# KiCad board WS2812B LED Ring7.kicad_pcb (continued)
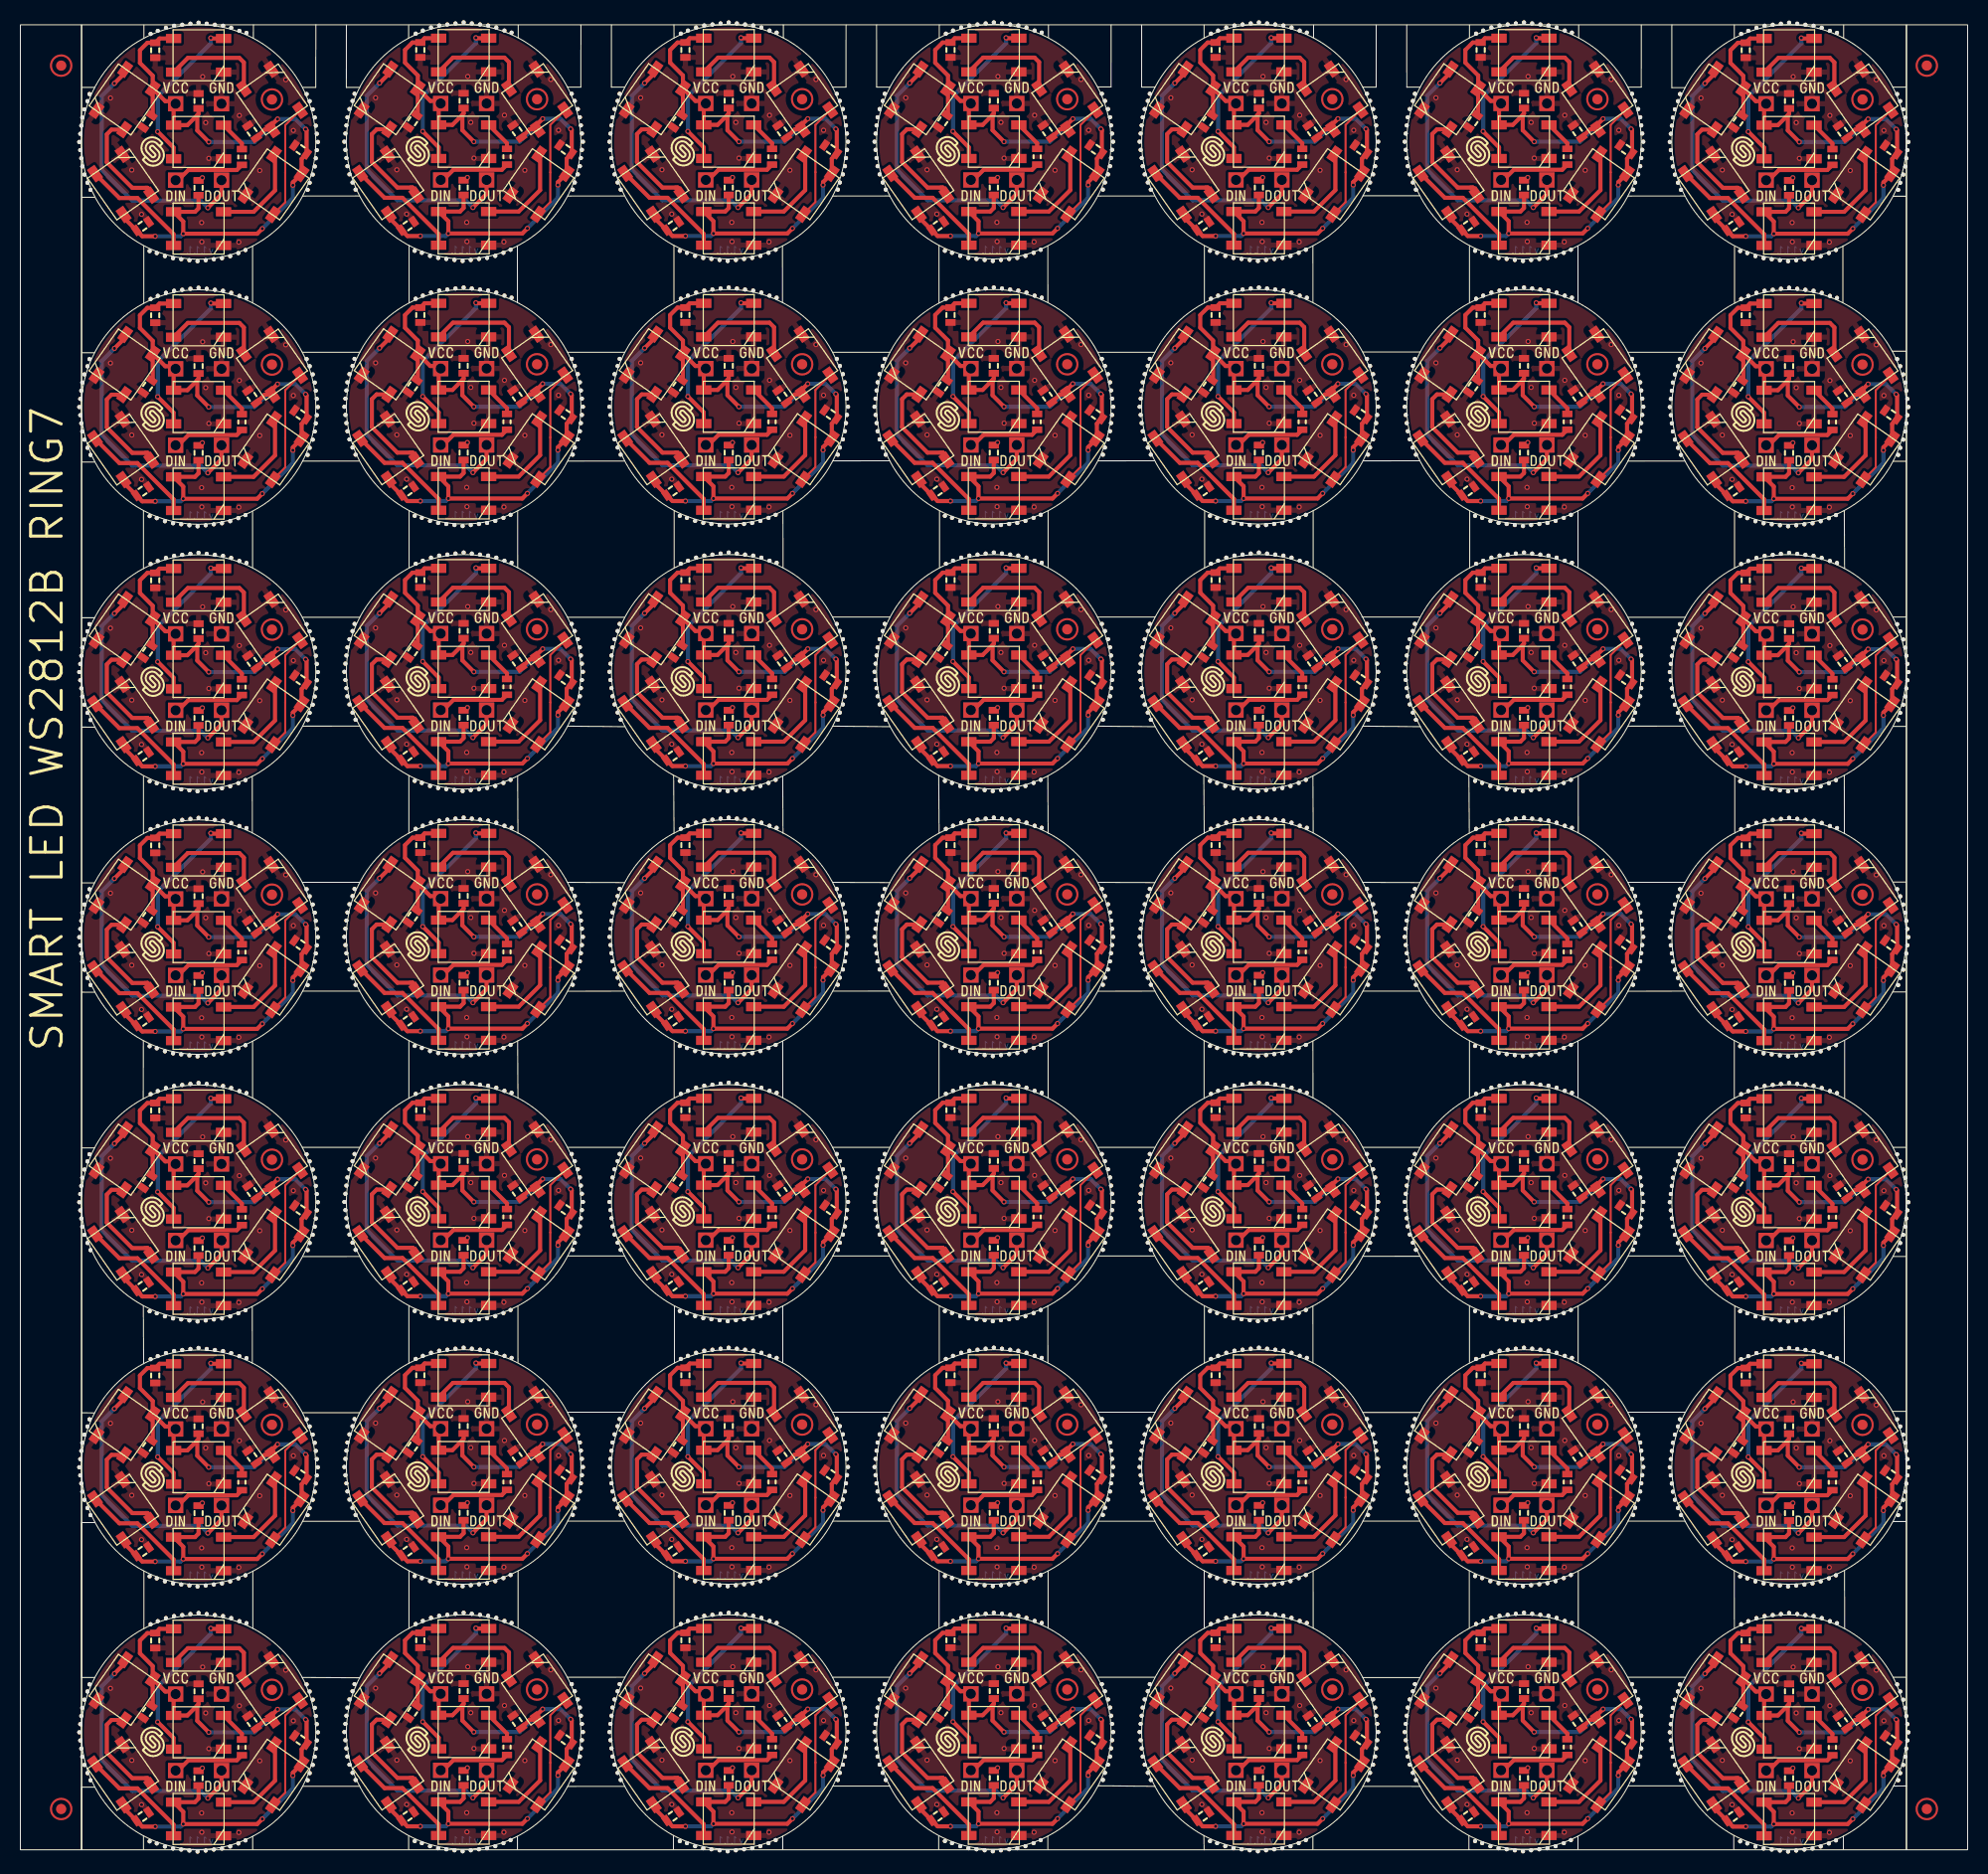
[diagram p0: board, top side]
## Placement (name value [footprint] x y rotation side) (continued)
REF**#164  -  [HOLE_0.5mm]  93.07 152.96 90 top
REF**#165  -  [HOLE_0.5mm]  107.07 64.36 0 top
REF**#166  -  [HOLE_0.5mm]  151.38 156.66 270 top
REF**#167  -  [HOLE_0.5mm]  28.97 61.94 0 top
REF**#168  Logo-Front-SolderedFULL-15mm  [Logo-Back-SolderedFULL-15mm]  17.91 37.79 0 top
REF**#169  -  [HOLE_0.5mm]  161.88 116.33 180 top
REF**#170  -  [HOLE_0.5mm]  158.18 6.86 0 top
REF**#171  -  [HOLE_0.5mm]  84.88 6.86 180 top
REF**#172  -  [HOLE_0.5mm]  42.67 101.16 90 top
REF**#173  -  [HOLE_0.5mm]  142.68 78.86 270 top
REF**#174  -  [HOLE_0.5mm]  29.08 64.33 0 top
REF**#175  -  [HOLE_0.5mm]  132.68 118.76 0 top
REF**#176  -  [HOLE_0.5mm]  146.57 25.96 270 top
REF**#177  -  [HOLE_0.5mm]  14.28 152.73 90 top
REF**#178  -  [HOLE_0.5mm]  67.88 179.06 90 top
REF**#179  -  [HOLE_0.5mm]  54.67 112.36 0 top
REF**#180  -  [HOLE_0.5mm]  13.47 100.44 90 top
REF**#181  -  [HOLE_0.5mm]  72.68 126.76 90 top
REF**#182  -  [HOLE_0.5mm]  67.78 0.06 270 top
REF**#183  -  [HOLE_0.5mm]  14.28 74.73 90 top
REF**#184  -  [HOLE_0.5mm]  184.18 84.83 0 top
REF**#185  -  [HOLE_0.5mm]  32.78 16.26 180 top
REF**#186  -  [HOLE_0.5mm]  22.17 74.23 90 top
REF**#187  -  [HOLE_0.5mm]  168.68 104.83 270 top
REF**#188  -  [HOLE_0.5mm]  177.47 22.44 90 top
REF**#189  -  [HOLE_0.5mm]  133.18 63.56 0 top
REF**#190  -  [HOLE_0.5mm]  161.97 9.94 180 top
REF**#191  -  [HOLE_0.5mm]  110.78 94.26 180 top
REF**#192  -  [HOLE_0.5mm]  12.67 104.83 270 top
REF**#193  -  [HOLE_0.5mm]  54.88 91.96 0 top
REF**#194  -  [HOLE_0.5mm]  106.88 39.96 0 top
REF**#195  -  [HOLE_0.5mm]  46.67 74.76 90 top
REF**#196  -  [HOLE_0.5mm]  80.68 86.36 0 top
REF**#197  -  [HOLE_0.5mm]  145.07 22.96 90 top
REF**#198  -  [HOLE_0.5mm]  14.17 130.33 270 top
REF**#199  -  [HOLE_0.5mm]  136.28 14.76 180 top
REF**#200  -  [HOLE_0.5mm]  106.68 86.36 0 top
REF**#201  -  [HOLE_0.5mm]  133.07 168.36 0 top
REF**#202  -  [HOLE_0.5mm]  57.88 36.76 180 top
REF**#203  -  [HOLE_0.5mm]  31.97 9.96 180 top
REF**#204  -  [HOLE_0.5mm]  159.07 36.76 0 top
REF**#205  -  [HOLE_0.5mm]  90.68 104.86 270 top
REF**#206  -  [HOLE_0.5mm]  124.68 152.76 90 top
REF**#207  -  [HOLE_0.5mm]  136.78 68.26 180 top
REF**#208  -  [HOLE_0.5mm]  74.18 100.26 90 top
REF**#209  -  [HOLE_0.5mm]  84.57 33.56 180 top
REF**#210  -  [HOLE_0.5mm]  132.97 169.16 0 top
REF**#211  -  [HOLE_0.5mm]  13.47 74.44 90 top
REF**#212  -  [HOLE_0.5mm]  20.67 152.73 90 top
REF**#213  -  [HOLE_0.5mm]  119.78 130.06 270 top
REF**#214  -  [HOLE_0.5mm]  121.47 49.26 90 top
REF**#215  -  [HOLE_0.5mm]  67.07 74.96 90 top
REF**#216  -  [HOLE_0.5mm]  118.28 74.76 90 top
REF**#217  -  [HOLE_0.5mm]  110.28 86.36 180 top
REF**#218  -  [HOLE_0.5mm]  31.97 91.16 180 top
REF**#219  -  [HOLE_0.5mm]  135.97 165.96 180 top
REF**#220  -  [HOLE_0.5mm]  124.57 130.36 270 top
REF**#221  -  [HOLE_0.5mm]  162.28 92.73 180 top
REF**#222  -  [HOLE_0.5mm]  110.07 65.96 180 top
REF**#223  -  [HOLE_0.5mm]  80.97 169.16 0 top
REF**#224  -  [HOLE_0.5mm]  57.97 113.96 180 top
REF**#225  -  [HOLE_0.5mm]  21.38 0.63 270 top
REF**#226  -  [HOLE_0.5mm]  144.28 152.76 90 top
REF**#227  -  [HOLE_0.5mm]  70.18 129.96 270 top
REF**#228  -  [HOLE_0.5mm]  55.08 10.76 0 top
REF**#229  -  [HOLE_0.5mm]  65.38 156.66 270 top
REF**#230  -  [HOLE_0.5mm]  184.97 113.94 0 top
REF**#231  -  [HOLE_0.5mm]  143.38 78.66 270 top
REF**#232  -  [HOLE_0.5mm]  175.78 130.13 270 top
REF**#233  -  [HOLE_0.5mm]  125.38 130.66 270 top
REF**#234  -  [HOLE_0.5mm]  28.97 13.13 0 top
REF**#235  Logo-Front-SolderedFULL-15mm  [Logo-Back-SolderedFULL-15mm]  43.91 37.82 0 top
REF**#236  -  [HOLE_0.5mm]  132.68 112.36 0 top
REF**#237  -  [HOLE_0.5mm]  116.68 104.86 270 top
REF**#238  -  [HOLE_0.5mm]  67.78 52.06 270 top
REF**#239  -  [HOLE_0.5mm]  159.07 166.76 0 top
REF**#240  -  [HOLE_0.5mm]  46.67 126.76 90 top
REF**#241  -  [HOLE_0.5mm]  120.68 23.16 90 top
REF**#242  -  [HOLE_0.5mm]  158.07 16.26 0 top
REF**#243  -  [HOLE_0.5mm]  91.38 0.66 270 top
REF**#244  -  [HOLE_0.5mm]  28.08 146.23 0 top
REF**#245  -  [HOLE_0.5mm]  65.47 48.46 90 top
REF**#246  -  [HOLE_0.5mm]  119.88 179.06 90 top
REF**#247  -  [HOLE_0.5mm]  158.88 117.96 0 top
REF**#248  -  [HOLE_0.5mm]  32.08 9.16 180 top
REF**#249  -  [HOLE_0.5mm]  69.47 179.26 90 top
REF**#250  -  [HOLE_0.5mm]  149.07 75.06 90 top
REF**#251  -  [HOLE_0.5mm]  116.78 152.16 90 top
REF**#252  -  [HOLE_0.5mm]  47.38 52.66 270 top
REF**#253  -  [HOLE_0.5mm]  106.18 162.86 0 top
REF**#254  -  [HOLE_0.5mm]  42.58 77.96 270 top
REF**#255  -  [HOLE_0.5mm]  70.97 156.06 270 top
REF**#256  -  [HOLE_0.5mm]  184.38 85.53 0 top
REF**#257  -  [HOLE_0.5mm]  150.68 48.76 90 top
REF**#258  -  [HOLE_0.5mm]  71.07 49.06 90 top
REF**#259  -  [HOLE_0.5mm]  55.17 63.56 0 top
REF**#260  -  [HOLE_0.5mm]  97.07 101.06 90 top
REF**#261  -  [HOLE_0.5mm]  83.78 63.56 180 top
REF**#262  -  [HOLE_0.5mm]  43.47 75.26 90 top
REF**#263  -  [HOLE_0.5mm]  65.47 126.46 90 top
REF**#264  -  [HOLE_0.5mm]  17.38 129.83 270 top
REF**#265  -  [HOLE_0.5mm]  149.07 179.06 90 top
REF**#266  -  [HOLE_0.5mm]  136.88 58.86 180 top
REF**#267  -  [HOLE_0.5mm]  18.97 156.03 270 top
REF**#268  -  [HOLE_0.5mm]  119.07 48.96 90 top
REF**#269  -  [HOLE_0.5mm]  177.38 26.63 270 top
REF**#270  -  [HOLE_0.5mm]  148.97 26.06 270 top
REF**#271  -  [HOLE_0.5mm]  110.57 15.56 180 top
REF**#272  -  [HOLE_0.5mm]  185.07 142.33 0 top
REF**#273  -  [HOLE_0.5mm]  96.28 179.16 90 top
REF**#274  -  [HOLE_0.5mm]  83.97 9.96 180 top
REF**#275  -  [HOLE_0.5mm]  158.88 35.16 0 top
REF**#276  -  [HOLE_0.5mm]  41.78 156.06 270 top
REF**#277  -  [HOLE_0.5mm]  125.47 100.46 90 top
REF**#278  -  [HOLE_0.5mm]  117.47 178.46 90 top
REF**#279  -  [HOLE_0.5mm]  28.38 171.53 0 top
REF**#280  -  [HOLE_0.5mm]  55.17 37.56 0 top
REF**#281  -  [HOLE_0.5mm]  147.47 153.26 90 top
REF**#282  -  [HOLE_0.5mm]  58.58 111.56 180 top
REF**#283  -  [HOLE_0.5mm]  81.07 140.76 0 top
REF**#284  -  [HOLE_0.5mm]  83.88 38.36 180 top
REF**#285  -  [HOLE_0.5mm]  57.97 65.16 180 top
REF**#286  -  [HOLE_0.5mm]  185.07 10.73 0 top
REF**#287  -  [HOLE_0.5mm]  162.07 87.13 180 top
REF**#288  -  [HOLE_0.5mm]  32.58 59.56 180 top
REF**#289  -  [HOLE_0.5mm]  58.88 84.86 180 top
REF**#290  -  [HOLE_0.5mm]  184.38 59.53 0 top
REF**#291  -  [HOLE_0.5mm]  158.07 146.26 0 top
REF**#292  -  [HOLE_0.5mm]  136.88 6.86 180 top
REF**#293  -  [HOLE_0.5mm]  80.38 111.56 0 top
REF**#294  -  [HOLE_0.5mm]  42.58 25.96 270 top
REF**#295  -  [HOLE_0.5mm]  66.18 52.36 270 top
REF**#296  -  [HOLE_0.5mm]  32.28 112.36 180 top
REF**#297  -  [HOLE_0.5mm]  122.18 77.96 270 top
REF**#298  -  [HOLE_0.5mm]  161.88 12.33 180 top
REF**#299  -  [HOLE_0.5mm]  14.17 0.33 270 top
REF**#300  -  [HOLE_0.5mm]  123.88 126.96 90 top
REF**#301  -  [HOLE_0.5mm]  184.07 172.23 0 top
REF**#302  -  [HOLE_0.5mm]  150.57 26.36 270 top
REF**#303  -  [HOLE_0.5mm]  72.68 100.76 90 top
REF**#304  -  [HOLE_0.5mm]  135.97 13.16 180 top
REF**#305  -  [HOLE_0.5mm]  80.38 93.56 0 top
REF**#306  -  [HOLE_0.5mm]  84.28 86.36 180 top
REF**#307  -  [HOLE_0.5mm]  28.38 67.53 0 top
REF**#308  -  [HOLE_0.5mm]  93.78 130.06 270 top
REF**#309  -  [HOLE_0.5mm]  107.07 88.76 0 top
REF**#310  Logo-Front-SolderedFULL-15mm  [Logo-Back-SolderedFULL-15mm]  17.91 141.79 0 top
REF**#311  -  [HOLE_0.5mm]  14.17 52.33 270 top
REF**#312  -  [HOLE_0.5mm]  57.88 64.36 180 top
REF**#313  -  [HOLE_0.5mm]  12.78 48.13 90 top
REF**#314  -  [HOLE_0.5mm]  22.08 52.94 270 top
REF**#315  -  [HOLE_0.5mm]  21.47 126.44 90 top
REF**#316  -  [HOLE_0.5mm]  106.97 169.16 0 top
REF**#317  -  [HOLE_0.5mm]  98.68 126.76 90 top
REF**#318  -  [HOLE_0.5mm]  14.97 0.13 270 top
REF**#319  -  [HOLE_0.5mm]  83.88 168.36 180 top
REF**#320  -  [HOLE_0.5mm]  184.68 118.73 0 top
REF**#321  -  [HOLE_0.5mm]  41.08 152.96 90 top
REF**#322  -  [HOLE_0.5mm]  31.97 35.96 180 top
REF**#323  -  [HOLE_0.5mm]  158.97 9.96 0 top
REF**#324  -  [HOLE_0.5mm]  120.68 153.16 90 top
REF**#325  -  [HOLE_0.5mm]  57.97 169.16 180 top
REF**#326  -  [HOLE_0.5mm]  13.38 104.63 270 top
REF**#327  -  [HOLE_0.5mm]  159.07 140.76 0 top
REF**#328  -  [HOLE_0.5mm]  54.97 35.96 0 top
REF**#329  -  [HOLE_0.5mm]  117.47 22.46 90 top
REF**#330  -  [HOLE_0.5mm]  28.88 169.94 0 top
REF**#331  -  [HOLE_0.5mm]  58.28 144.76 180 top
REF**#332  -  [HOLE_0.5mm]  22.17 152.23 90 top
REF**#333  -  [HOLE_0.5mm]  161.88 36.73 180 top
REF**#334  -  [HOLE_0.5mm]  116.68 52.86 270 top
REF**#335  -  [HOLE_0.5mm]  58.88 162.86 180 top
REF**#336  -  [HOLE_0.5mm]  184.88 91.94 0 top
REF**#337  -  [HOLE_0.5mm]  110.57 59.56 180 top
REF**#338  -  [HOLE_0.5mm]  168.78 48.13 90 top
REF**#339  -  [HOLE_0.5mm]  54.38 85.56 0 top
REF**#340  -  [HOLE_0.5mm]  132.97 117.16 0 top
REF**#341  -  [HOLE_0.5mm]  106.38 119.56 0 top
REF**#342  -  [HOLE_0.5mm]  110.28 92.76 180 top
REF**#343  -  [HOLE_0.5mm]  135.97 65.16 180 top
REF**#344  -  [HOLE_0.5mm]  54.08 146.26 0 top
REF**#345  -  [HOLE_0.5mm]  73.47 74.46 90 top
REF**#346  -  [HOLE_0.5mm]  184.88 117.94 0 top
REF**#347  -  [HOLE_0.5mm]  15.08 126.94 90 top
REF**#348  -  [HOLE_0.5mm]  58.28 118.76 180 top
REF**#349  -  [HOLE_0.5mm]  106.68 60.36 0 top
REF**#350  -  [HOLE_0.5mm]  148.97 52.06 270 top
REF**#351  -  [HOLE_0.5mm]  158.07 172.26 0 top
REF**#352  -  [HOLE_0.5mm]  106.07 94.26 0 top
REF**#353  -  [HOLE_0.5mm]  55.08 114.76 0 top
REF**#354  -  [HOLE_0.5mm]  47.47 22.46 90 top
REF**#355  -  [HOLE_0.5mm]  92.28 178.76 90 top
REF**#356  -  [HOLE_0.5mm]  31.88 166.76 180 top
REF**#357  -  [HOLE_0.5mm]  20.67 22.73 90 top
REF**#358  -  [HOLE_0.5mm]  124.68 48.76 90 top
REF**#359  -  [HOLE_0.5mm]  71.78 52.16 270 top
REF**#360  -  [HOLE_0.5mm]  158.88 91.96 0 top
REF**#361  -  [HOLE_0.5mm]  47.38 78.66 270 top
REF**#362  -  [HOLE_0.5mm]  18.97 130.03 270 top
REF**#363  -  [HOLE_0.5mm]  40.28 126.76 90 top
REF**#364  -  [HOLE_0.5mm]  28.38 33.53 0 top
REF**#365  -  [HOLE_0.5mm]  67.88 153.06 90 top
REF**#366  -  [HOLE_0.5mm]  32.28 164.36 180 top
REF**#367  -  [HOLE_0.5mm]  162.88 84.83 180 top
REF**#368  -  [HOLE_0.5mm]  65.47 22.46 90 top
REF**#369  -  [HOLE_0.5mm]  159.18 141.56 0 top
REF**#370  -  [HOLE_0.5mm]  32.28 144.76 180 top
REF**#371  -  [HOLE_0.5mm]  184.18 32.83 0 top
REF**#372  -  [HOLE_0.5mm]  116.78 100.16 90 top
REF**#373  -  [HOLE_0.5mm]  32.08 35.16 180 top
REF**#374  -  [HOLE_0.5mm]  148.97 78.06 270 top
REF**#375  -  [HOLE_0.5mm]  41.08 74.96 90 top
REF**#376  -  [HOLE_0.5mm]  31.97 87.96 180 top
REF**#377  -  [HOLE_0.5mm]  161.88 10.73 180 top
REF**#378  -  [HOLE_0.5mm]  43.38 51.86 270 top
REF**#379  -  [HOLE_0.5mm]  71.88 178.96 90 top
REF**#380  -  [HOLE_0.5mm]  158.68 8.36 0 top
REF**#381  -  [HOLE_0.5mm]  6.78 146.23 180 top
REF**#382  -  [HOLE_0.5mm]  32.58 171.56 180 top
REF**#383  -  [HOLE_0.5mm]  121.38 103.86 270 top
REF**#384  -  [HOLE_0.5mm]  22.08 26.94 270 top
REF**#385  -  [HOLE_0.5mm]  132.88 13.96 0 top
REF**#386  -  [HOLE_0.5mm]  152.07 26.96 270 top
REF**#387  -  [HOLE_0.5mm]  184.97 87.94 0 top
REF**#388  -  [HOLE_0.5mm]  110.78 16.26 180 top
REF**#389  -  [HOLE_0.5mm]  144.28 48.76 90 top
REF**#390  -  [HOLE_0.5mm]  159.18 167.56 0 top
REF**#391  -  [HOLE_0.5mm]  5.97 117.13 180 top
REF**#392  -  [HOLE_0.5mm]  18.17 155.94 270 top
REF**#393  -  [HOLE_0.5mm]  168.78 22.13 90 top
REF**#394  -  [HOLE_0.5mm]  171.78 78.03 270 top
REF**#395  -  [HOLE_0.5mm]  176.68 126.73 90 top
REF**#396  -  [HOLE_0.5mm]  28.67 112.33 0 top
REF**#397  -  [HOLE_0.5mm]  58.58 137.56 180 top
REF**#398  -  [HOLE_0.5mm]  91.38 104.66 270 top
REF**#399  -  [HOLE_0.5mm]  175.78 78.13 270 top
REF**#400  -  [HOLE_0.5mm]  135.88 116.36 180 top
REF**#401  -  [HOLE_0.5mm]  31.97 113.96 180 top
REF**#402  -  [HOLE_0.5mm]  39.47 126.46 90 top
REF**#403  -  [HOLE_0.5mm]  58.58 67.56 180 top
REF**#404  -  [HOLE_0.5mm]  175.88 22.94 90 top
REF**#405  -  [HOLE_0.5mm]  106.88 113.16 0 top
REF**#406  -  [HOLE_0.5mm]  184.38 67.53 0 top
REF**#407  -  [HOLE_0.5mm]  32.58 119.56 180 top
REF**#408  -  [HOLE_0.5mm]  16.67 49.13 90 top
REF**#409  -  [HOLE_0.5mm]  173.38 129.83 270 top
REF**#410  -  [HOLE_0.5mm]  161.88 64.33 180 top
REF**#411  -  [HOLE_0.5mm]  171.07 100.94 90 top
REF**#412  -  [HOLE_0.5mm]  67.88 49.06 90 top
REF**#413  -  [HOLE_0.5mm]  122.18 51.96 270 top
REF**#414  -  [HOLE_0.5mm]  176.57 26.33 270 top
REF**#415  -  [HOLE_0.5mm]  18.17 51.94 270 top
REF**#416  -  [HOLE_0.5mm]  16.67 179.13 90 top
REF**#417  -  [HOLE_0.5mm]  170.28 152.73 90 top
REF**#418  -  [HOLE_0.5mm]  19.08 75.03 90 top
REF**#419  -  [HOLE_0.5mm]  83.97 87.96 180 top
REF**#420  -  [HOLE_0.5mm]  28.08 42.23 0 top
REF**#421  -  [HOLE_0.5mm]  107.18 63.56 0 top
REF**#422  -  [HOLE_0.5mm]  29.08 10.73 0 top
REF**#423  Logo-Front-SolderedFULL-15mm  [Logo-Back-SolderedFULL-15mm]  17.91 167.79 0 top
REF**#424  -  [HOLE_0.5mm]  172.57 25.94 270 top
REF**#425  -  [HOLE_0.5mm]  91.38 130.66 270 top
REF**#426  -  [HOLE_0.5mm]  136.78 146.26 180 top
REF**#427  -  [HOLE_0.5mm]  13.47 178.44 90 top
REF**#428  -  [HOLE_0.5mm]  97.78 0.16 270 top
REF**#429  -  [HOLE_0.5mm]  58.88 6.86 180 top
REF**#430  -  [HOLE_0.5mm]  184.97 61.94 0 top
REF**#431  -  [HOLE_0.5mm]  169.38 104.63 270 top
REF**#432  -  [HOLE_0.5mm]  42.67 127.16 90 top
REF**#433  -  [HOLE_0.5mm]  57.97 61.96 180 top
REF**#434  -  [HOLE_0.5mm]  149.88 126.96 90 top
REF**#435  -  [HOLE_0.5mm]  184.38 145.53 0 top
REF**#436  -  [HOLE_0.5mm]  125.47 152.46 90 top
REF**#437  -  [HOLE_0.5mm]  161.78 89.53 180 top
REF**#438  -  [HOLE_0.5mm]  22.17 22.23 90 top
REF**#439  Logo-Front-SolderedFULL-15mm  [Logo-Back-SolderedFULL-15mm]  43.91 89.82 0 top
REF**#440  -  [HOLE_0.5mm]  122.97 104.06 270 top
REF**#441  -  [HOLE_0.5mm]  152.07 52.96 270 top
REF**#442  -  [HOLE_0.5mm]  126.18 152.26 90 top
REF**#443  -  [HOLE_0.5mm]  96.18 51.96 270 top
REF**#444  -  [HOLE_0.5mm]  84.57 137.56 180 top
REF**#445  -  [HOLE_0.5mm]  106.18 136.86 0 top
REF**#446  -  [HOLE_0.5mm]  172.68 127.13 90 top
REF**#447  -  [HOLE_0.5mm]  184.38 41.53 0 top
REF**#448  -  [HOLE_0.5mm]  6.88 136.83 180 top
REF**#449  -  [HOLE_0.5mm]  168.68 26.83 270 top
REF**#450  -  [HOLE_0.5mm]  32.28 170.76 180 top
REF**#451  -  [HOLE_0.5mm]  13.47 48.44 90 top
REF**#452  -  [HOLE_0.5mm]  184.68 138.33 0 top
REF**#453  -  [HOLE_0.5mm]  136.57 163.56 180 top
REF**#454  -  [HOLE_0.5mm]  54.17 58.86 0 top
REF**#455  -  [HOLE_0.5mm]  149.78 104.16 270 top
REF**#456  -  [HOLE_0.5mm]  92.28 74.76 90 top
REF**#457  -  [HOLE_0.5mm]  132.38 119.56 0 top
REF**#458  -  [HOLE_0.5mm]  171.07 22.94 90 top
REF**#459  -  [HOLE_0.5mm]  12.67 26.83 270 top
REF**#460  -  [HOLE_0.5mm]  64.78 74.16 90 top
REF**#461  -  [HOLE_0.5mm]  29.17 115.53 0 top
REF**#462  Logo-Front-SolderedFULL-15mm  [Logo-Back-SolderedFULL-15mm]  43.91 63.82 0 top
REF**#463  -  [HOLE_0.5mm]  68.57 103.96 270 top
REF**#464  -  [HOLE_0.5mm]  66.28 74.76 90 top
REF**#465  -  [HOLE_0.5mm]  81.07 38.36 0 top
REF**#466  -  [HOLE_0.5mm]  54.67 138.36 0 top
REF**#467  -  [HOLE_0.5mm]  96.28 49.16 90 top
REF**#468  -  [HOLE_0.5mm]  20.58 0.33 270 top
REF**#469  -  [HOLE_0.5mm]  149.07 127.06 90 top
REF**#470  -  [HOLE_0.5mm]  100.07 130.96 270 top
REF**#471  -  [HOLE_0.5mm]  31.97 143.16 180 top
REF**#472  -  [HOLE_0.5mm]  172.68 101.13 90 top
REF**#473  Logo-Front-SolderedFULL-15mm  [Logo-Back-SolderedFULL-15mm]  17.91 115.79 0 top
REF**#474  -  [HOLE_0.5mm]  84.07 117.96 180 top
REF**#475  -  [HOLE_0.5mm]  91.47 178.46 90 top
REF**#476  Logo-Front-SolderedFULL-15mm  [Logo-Back-SolderedFULL-15mm]  95.91 37.82 0 top
REF**#477  -  [HOLE_0.5mm]  54.88 117.96 0 top
REF**#478  -  [HOLE_0.5mm]  54.38 59.56 0 top
REF**#479  -  [HOLE_0.5mm]  83.78 89.56 180 top
REF**#480  -  [HOLE_0.5mm]  54.97 91.16 0 top
REF**#481  -  [HOLE_0.5mm]  55.08 62.76 0 top
REF**#482  -  [HOLE_0.5mm]  66.18 156.36 270 top
REF**#483  -  [HOLE_0.5mm]  161.97 39.13 180 top
REF**#484  -  [HOLE_0.5mm]  38.78 74.16 90 top
REF**#485  -  [HOLE_0.5mm]  12.78 126.13 90 top
REF**#486  -  [HOLE_0.5mm]  184.38 15.53 0 top
REF**#487  -  [HOLE_0.5mm]  159.07 12.36 0 top
REF**#488  -  [HOLE_0.5mm]  92.28 152.76 90 top
REF**#489  -  [HOLE_0.5mm]  110.28 60.36 180 top
REF**#490  -  [HOLE_0.5mm]  16.67 23.13 90 top
REF**#491  -  [HOLE_0.5mm]  162.57 33.53 180 top
REF**#492  -  [HOLE_0.5mm]  40.17 0.36 270 top
REF**#493  -  [HOLE_0.5mm]  144.97 26.16 270 top
REF**#494  -  [HOLE_0.5mm]  6.58 171.53 180 top
REF**#495  -  [HOLE_0.5mm]  6.28 138.33 180 top
REF**#496  -  [HOLE_0.5mm]  40.97 52.16 270 top
REF**#497  -  [HOLE_0.5mm]  152.18 74.26 90 top
REF**#498  -  [HOLE_0.5mm]  136.57 145.56 180 top
REF**#499  -  [HOLE_0.5mm]  120.68 101.16 90 top
REF**#500  -  [HOLE_0.5mm]  151.38 0.66 270 top
REF**#501  -  [HOLE_0.5mm]  58.28 14.76 180 top
REF**#502  -  [HOLE_0.5mm]  174.28 75.13 90 top
REF**#503  -  [HOLE_0.5mm]  110.28 112.36 180 top
REF**#504  -  [HOLE_0.5mm]  117.38 130.66 270 top
REF**#505  -  [HOLE_0.5mm]  80.88 65.96 0 top
REF**#506  Logo-Front-SolderedFULL-15mm  [Logo-Back-SolderedFULL-15mm]  173.91 167.79 0 top
REF**#507  -  [HOLE_0.5mm]  135.97 39.16 180 top
REF**#508  -  [HOLE_0.5mm]  170.97 26.13 270 top
REF**#509  -  [HOLE_0.5mm]  32.08 169.96 180 top
REF**#510  -  [HOLE_0.5mm]  80.38 85.56 0 top
REF**#511  -  [HOLE_0.5mm]  91.38 78.66 270 top
REF**#512  -  [HOLE_0.5mm]  119.78 26.06 270 top
REF**#513  -  [HOLE_0.5mm]  110.78 42.26 180 top
REF**#514  -  [HOLE_0.5mm]  54.38 171.56 0 top
REF**#515  -  [HOLE_0.5mm]  110.57 85.56 180 top
REF**#516  -  [HOLE_0.5mm]  22.08 78.94 270 top
REF**#517  -  [HOLE_0.5mm]  70.97 26.06 270 top
REF**#518  -  [HOLE_0.5mm]  135.88 166.76 180 top
REF**#519  -  [HOLE_0.5mm]  58.58 15.56 180 top
REF**#520  -  [HOLE_0.5mm]  54.67 60.36 0 top
REF**#521  -  [HOLE_0.5mm]  99.47 22.46 90 top
REF**#522  -  [HOLE_0.5mm]  122.97 78.06 270 top
REF**#523  -  [HOLE_0.5mm]  29.08 114.73 0 top
REF**#524  -  [HOLE_0.5mm]  84.07 13.96 180 top
REF**#525  -  [HOLE_0.5mm]  97.78 156.16 270 top
REF**#526  -  [HOLE_0.5mm]  5.88 116.33 180 top
REF**#527  -  [HOLE_0.5mm]  64.78 22.16 90 top
REF**#528  -  [HOLE_0.5mm]  54.67 40.76 0 top
REF**#529  -  [HOLE_0.5mm]  92.18 52.36 270 top
REF**#530  -  [HOLE_0.5mm]  5.78 89.53 180 top
REF**#531  -  [HOLE_0.5mm]  74.07 130.96 270 top
REF**#532  -  [HOLE_0.5mm]  95.47 75.26 90 top
REF**#533  -  [HOLE_0.5mm]  120.57 103.96 270 top
REF**#534  -  [HOLE_0.5mm]  6.58 67.53 180 top
REF**#535  -  [HOLE_0.5mm]  117.47 74.46 90 top
REF**#536  -  [HOLE_0.5mm]  144.18 26.36 270 top
REF**#537  -  [HOLE_0.5mm]  74.18 74.26 90 top
REF**#538  -  [HOLE_0.5mm]  162.07 143.94 180 top
REF**#539  -  [HOLE_0.5mm]  20.58 26.33 270 top
REF**#540  -  [HOLE_0.5mm]  98.68 100.76 90 top
REF**#541  -  [HOLE_0.5mm]  151.38 104.66 270 top
REF**#542  -  [HOLE_0.5mm]  31.97 169.16 180 top
REF**#543  -  [HOLE_0.5mm]  132.68 40.76 0 top
REF**#544  -  [HOLE_0.5mm]  158.68 34.36 0 top
REF**#545  -  [HOLE_0.5mm]  132.88 169.96 0 top
REF**#546  -  [HOLE_0.5mm]  174.28 153.13 90 top
REF**#547  -  [HOLE_0.5mm]  69.38 77.86 270 top
REF**#548  -  [HOLE_0.5mm]  6.58 163.53 180 top
REF**#549  -  [HOLE_0.5mm]  106.38 7.56 0 top
REF**#550  -  [HOLE_0.5mm]  132.38 7.56 0 top
REF**#551  -  [HOLE_0.5mm]  31.88 168.36 180 top
REF**#552  -  [HOLE_0.5mm]  162.88 6.83 180 top
REF**#553  -  [HOLE_0.5mm]  158.38 119.56 0 top
REF**#554  -  [HOLE_0.5mm]  58.08 113.16 180 top
REF**#555  -  [HOLE_0.5mm]  74.18 22.26 90 top
REF**#556  -  [HOLE_0.5mm]  118.18 52.36 270 top
REF**#557  -  [HOLE_0.5mm]  174.97 26.03 270 top
REF**#558  -  [HOLE_0.5mm]  39.38 0.66 270 top
REF**#559  -  [HOLE_0.5mm]  106.97 139.96 0 top
REF**#560  -  [HOLE_0.5mm]  67.07 178.96 90 top
REF**#561  -  [HOLE_0.5mm]  5.88 140.73 180 top
REF**#562  -  [HOLE_0.5mm]  175.07 127.03 90 top
REF**#563  -  [HOLE_0.5mm]  40.17 52.36 270 top
REF**#564  -  [HOLE_0.5mm]  19.08 49.03 90 top
REF**#565  -  [HOLE_0.5mm]  174.18 25.94 270 top
REF**#566  Logo-Front-SolderedFULL-15mm  [Logo-Back-SolderedFULL-15mm]  69.91 63.82 0 top
REF**#567  -  [HOLE_0.5mm]  47.38 104.66 270 top
REF**#568  -  [HOLE_0.5mm]  125.47 22.46 90 top
REF**#569  -  [HOLE_0.5mm]  161.88 142.33 180 top
REF**#570  -  [HOLE_0.5mm]  162.07 139.13 180 top
REF**#571  -  [HOLE_0.5mm]  136.78 16.26 180 top
REF**#572  -  [HOLE_0.5mm]  162.88 110.83 180 top
REF**#573  -  [HOLE_0.5mm]  5.97 13.13 180 top
REF**#574  -  [HOLE_0.5mm]  136.28 112.36 180 top
REF**#575  -  [HOLE_0.5mm]  122.18 -0.04 270 top
REF**#576  -  [HOLE_0.5mm]  55.17 11.56 0 top
REF**#577  -  [HOLE_0.5mm]  44.28 101.16 90 top
REF**#578  -  [HOLE_0.5mm]  70.28 179.16 90 top
REF**#579  -  [HOLE_0.5mm]  84.28 66.76 180 top
REF**#580  -  [HOLE_0.5mm]  93.88 179.06 90 top
REF**#581  -  [HOLE_0.5mm]  68.68 75.16 90 top
REF**#582  -  [HOLE_0.5mm]  184.18 110.83 0 top
REF**#583  -  [HOLE_0.5mm]  161.88 166.73 180 top
REF**#584  -  [HOLE_0.5mm]  184.38 137.53 0 top
REF**#585  -  [HOLE_0.5mm]  66.28 152.76 90 top
REF**#586  -  [HOLE_0.5mm]  107.07 10.76 0 top
REF**#587  -  [HOLE_0.5mm]  123.88 178.96 90 top
REF**#588  -  [HOLE_0.5mm]  58.08 65.96 180 top
REF**#589  -  [HOLE_0.5mm]  14.97 26.13 270 top
REF**#590  -  [HOLE_0.5mm]  31.88 10.76 180 top
REF**#591  -  [HOLE_0.5mm]  80.68 66.76 0 top
REF**#592  -  [HOLE_0.5mm]  135.78 141.56 180 top
REF**#593  -  [HOLE_0.5mm]  19.78 130.13 270 top
REF**#594  -  [HOLE_0.5mm]  41.08 126.96 90 top
REF**#595  -  [HOLE_0.5mm]  44.17 51.96 270 top
REF**#596  -  [HOLE_0.5mm]  99.38 104.66 270 top
REF**#597  -  [HOLE_0.5mm]  84.28 118.76 180 top
REF**#598  -  [HOLE_0.5mm]  100.07 156.96 270 top
REF**#599  -  [HOLE_0.5mm]  68.57 129.96 270 top
REF**#600  -  [HOLE_0.5mm]  41.08 178.96 90 top
REF**#601  -  [HOLE_0.5mm]  40.28 178.76 90 top
REF**#602  -  [HOLE_0.5mm]  162.57 145.53 180 top
REF**#603  -  [HOLE_0.5mm]  54.97 143.16 0 top
REF**#604  -  [HOLE_0.5mm]  73.38 0.66 270 top
REF**#605  -  [HOLE_0.5mm]  84.57 145.56 180 top
REF**#606  -  [HOLE_0.5mm]  18.97 104.03 270 top
REF**#607  -  [HOLE_0.5mm]  19.08 23.03 90 top
REF**#608  -  [HOLE_0.5mm]  132.68 138.36 0 top
REF**#609  -  [HOLE_0.5mm]  146.57 103.96 270 top
REF**#610  -  [HOLE_0.5mm]  96.28 75.16 90 top
REF**#611  -  [HOLE_0.5mm]  172.57 51.94 270 top
REF**#612  -  [HOLE_0.5mm]  170.18 104.33 270 top
REF**#613  -  [HOLE_0.5mm]  54.38 15.56 0 top
REF**#614  -  [HOLE_0.5mm]  144.18 156.36 270 top
REF**#615  -  [HOLE_0.5mm]  162.57 85.53 180 top
REF**#616  -  [HOLE_0.5mm]  133.18 141.56 0 top
REF**#617  -  [HOLE_0.5mm]  45.88 74.96 90 top
REF**#618  -  [HOLE_0.5mm]  28.67 138.33 0 top
REF**#619  -  [HOLE_0.5mm]  31.97 65.16 180 top
REF**#620  -  [HOLE_0.5mm]  6.78 120.23 180 top
REF**#621  -  [HOLE_0.5mm]  184.88 65.94 0 top
REF**#622  -  [HOLE_0.5mm]  97.88 100.96 90 top
REF**#623  -  [HOLE_0.5mm]  21.47 152.44 90 top
REF**#624  -  [HOLE_0.5mm]  84.57 93.56 180 top
REF**#625  -  [HOLE_0.5mm]  84.78 172.26 180 top
REF**#626  -  [HOLE_0.5mm]  142.78 178.16 90 top
REF**#627  -  [HOLE_0.5mm]  31.78 37.56 180 top
REF**#628  -  [HOLE_0.5mm]  84.07 35.16 180 top
REF**#629  -  [HOLE_0.5mm]  38.78 48.16 90 top
REF**#630  -  [HOLE_0.5mm]  175.78 52.13 270 top
REF**#631  -  [HOLE_0.5mm]  96.18 129.96 270 top
REF**#632  -  [HOLE_0.5mm]  54.88 165.16 0 top
REF**#633  -  [HOLE_0.5mm]  81.07 116.36 0 top
REF**#634  -  [HOLE_0.5mm]  15.88 101.03 90 top
REF**#635  -  [HOLE_0.5mm]  132.07 94.26 0 top
REF**#636  -  [HOLE_0.5mm]  69.38 103.86 270 top
REF**#637  -  [HOLE_0.5mm]  184.88 39.94 0 top
REF**#638  -  [HOLE_0.5mm]  106.88 139.16 0 top
REF**#639  -  [HOLE_0.5mm]  110.57 93.56 180 top
REF**#640  -  [HOLE_0.5mm]  100.07 78.96 270 top
REF**#641  -  [HOLE_0.5mm]  158.38 67.56 0 top
REF**#642  -  [HOLE_0.5mm]  144.97 0.16 270 top
REF**#643  -  [HOLE_0.5mm]  110.57 7.56 180 top
REF**#644  -  [HOLE_0.5mm]  17.47 23.23 90 top
REF**#645  -  [HOLE_0.5mm]  133.07 38.36 0 top
REF**#646  -  [HOLE_0.5mm]  28.67 8.33 0 top
REF**#647  -  [HOLE_0.5mm]  83.97 117.16 180 top
REF**#648  -  [HOLE_0.5mm]  120.57 77.96 270 top
REF**#649  -  [HOLE_0.5mm]  99.38 78.66 270 top
REF**#650  -  [HOLE_0.5mm]  58.28 60.36 180 top
REF**#651  -  [HOLE_0.5mm]  109.88 10.76 180 top
REF**#652  -  [HOLE_0.5mm]  173.47 101.23 90 top
REF**#653  -  [HOLE_0.5mm]  132.97 87.96 0 top
REF**#654  -  [HOLE_0.5mm]  110.57 163.56 180 top
REF**#655  -  [HOLE_0.5mm]  118.18 78.36 270 top
REF**#656  -  [HOLE_0.5mm]  173.47 127.23 90 top
REF**#657  -  [HOLE_0.5mm]  90.68 130.86 270 top
REF**#658  -  [HOLE_0.5mm]  32.88 136.86 180 top
REF**#659  -  [HOLE_0.5mm]  69.47 153.26 90 top
REF**#660  -  [HOLE_0.5mm]  176.57 104.33 270 top
REF**#661  -  [HOLE_0.5mm]  135.97 113.96 180 top
REF**#662  Logo-Front-SolderedFULL-15mm  [Logo-Back-SolderedFULL-15mm]  43.91 141.82 0 top
REF**#663  -  [HOLE_0.5mm]  15.88 179.03 90 top
REF**#664  -  [HOLE_0.5mm]  13.47 152.44 90 top
REF**#665  -  [HOLE_0.5mm]  98.57 26.36 270 top
REF**#666  -  [HOLE_0.5mm]  22.17 126.23 90 top
REF**#667  -  [HOLE_0.5mm]  110.28 14.76 180 top
REF**#668  -  [HOLE_0.5mm]  96.97 130.06 270 top
REF**#669  -  [HOLE_0.5mm]  40.97 156.16 270 top
REF**#670  -  [HOLE_0.5mm]  162.88 162.83 180 top